# Altium PCB V5_CORE_V1.6.PcbDoc (part 1 of 3) (continued)
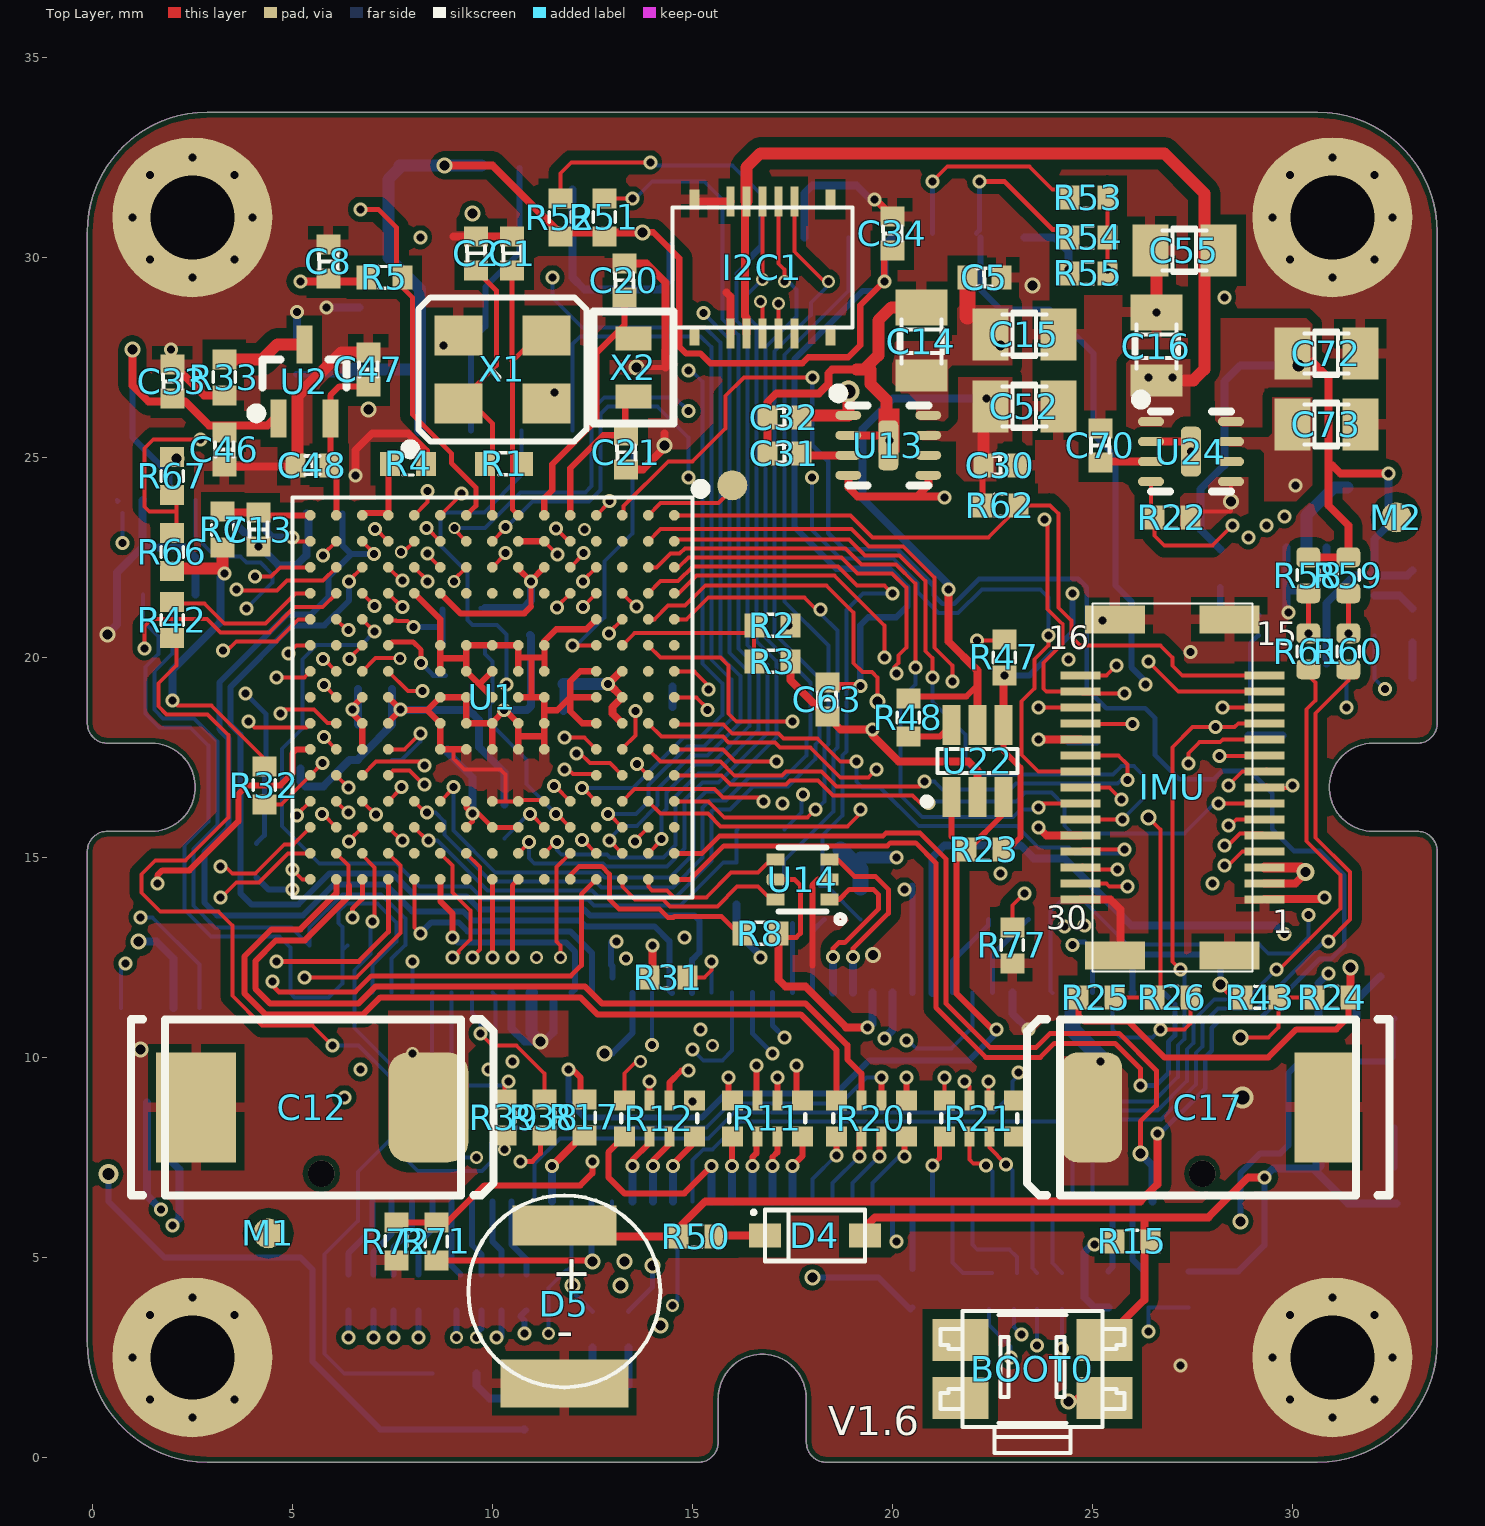
[diagram p0: Top Layer view]
## Footprints (in the part's own frame and the unit in brackets; to place one, negate y for a bottom-side part, rotate by r counter-clockwise, add the part's x,y. Pads: shape width x height; smd on the part's side, far side on the other; paste and mask are expansions set on the pad) (continued)
MARK [mm]
  round 0.75 smd: 1(0,0)
MIC5530 [mm] "QFN, 8-Leads, Body 2.0x2.0mm (max), Pitch 0.00mm, Pitch1 0.50mm, IPC Medium Density"
  oval 0.65x0.225 smd: 1(-1,0.75) 2(-1,0.25) 3(-1,-0.25) 4(-1,-0.75) 5(1,-0.75) 6(1,-0.25) 7(1,0.25) 8(1,0.75)
  rrect50% 0.5x1.25 smd: 2(0,0)
  silkscreen extent -1.37,-1 1,1.42, body extent -1,-1 1,1, height 0.85
PAS414R-S-VE5R [mm]
  rect 2.6x1 smd: 1(-0.1,-1.799)
  rect 3.2x1.2 smd: 2(-0.1,2.151)
  silkscreen extent -2.5,-2.55 2.3,2.25
R0402#1 [mm]
  rect 0.5x0.6 smd: 1(-0.475,0) 2(0.475,0)
  silkscreen extent -0.13,-0.27 0.14,0.28, body extent -0.51,-0.25 0.49,0.25, height 0.3
R0402#2 [mm]
  rect 0.4x0.6 smd: 1(-0.475,0) 2(0.475,0)
  silkscreen extent -0.13,-0.27 0.14,0.28, body extent -0.51,-0.25 0.49,0.25, height 0.3
SC70 [mm]
  rect 0.95x0.4 smd: 1(-0.925,0.65) 2(-0.925,-0.65) 3(0.925,0)
  silkscreen extent -0.92,-1.05 0.55,1.32, body extent -1.15,-1.05 1.15,1.05, height 1.1
SC0402 [mm]
  rect 0.5x0.6 smd: 1(-0.425,-0.004) 2(0.425,-0.004)
  silkscreen extent -0.17,-0.23 0.18,0.23, body extent -0.5,-0.25 0.5,0.25, height 0.5
SO-8 [mm] "SOIC, 8-Leads, Body 4.90x4.00mm, Pitch 1.27mm, IPC Medium Density"
  rrect50% 1.45x0.6 smd: 1(-2.725,1.905) 2(-2.725,0.635) 3(-2.725,-0.635) 4(-2.725,-1.905) 5(2.725,-1.905) 6(2.725,-0.635) 7(2.725,0.635) 8(2.725,1.905)
  silkscreen extent -2.85,-2.5 1.6,2.93, body extent -3,-2.5 3,2.5, height 1.75
SOD323 [mm]
  rect 0.6x0.8 smd: A(-0.217,1.264) K(-0.217,-1.236)
  silkscreen extent -0.87,-1.56 0.43,1.26, body extent -0.87,-1.28 0.48,1.32, height 1.1
SOT23-8 [mil]
  rect 17x52 smd: 1(-38.46,-51.13) 2(-12.87,-51.13) 3(12.93,-51.13) 4(38.93,-51.13) 5(38.93,42.13) 6(12.93,42.13) 7(-12.87,42.13) 8(-38.46,42.13)
  silkscreen extent -59,-44 60,35, body extent -59,-60 59,50, height 44
sot323-6 [mm]
  rect 1x0.45 smd mask+0.051: 1(-0.875,0.575) 2(-0.875,-0.075) 3(-0.875,-0.725) 4(0.925,-0.725) 5(0.925,-0.075) 6(0.925,0.575)
  silkscreen extent -1.04,-1.07 0.32,1.25, body extent -1.03,-1.1 1.07,0.9, height 0.9
SOT563-6 [mm]
  rect 0.45x0.3 smd: 1(-0.635,0.459) 2(-0.635,-0.041) 3(-0.635,-0.541) 4(0.715,-0.541) 6(0.715,0.459)
  rrect50% 0.45x0.3 smd: 5(0.715,-0.041)
  silkscreen extent -1,-0.84 0.64,1.05, body extent -0.76,-0.85 0.86,0.75, height 0.58
SOT-23-6 [mm] "SOT-23/SC-74A; 5 Leads; Body 3.1 x 3 mm, inc. leads (LxW max)"
  rect 0.55x1.45 smd: 1(0.95,1.075) 2(0,1.075) 3(-0.95,1.075) 4(-0.95,-1.075) 5(0,-1.075) 6(0.95,-1.075)
  silkscreen extent -1.55,-0.9 1.72,1.88, body extent -1.4,-1.19 1.4,1.23, height 1.08
SR0402 [mm]
  rect 0.5x0.6 smd: 1(-0.475,0) 2(0.475,0)
  silkscreen extent -0.13,-0.27 0.14,0.28, body extent -0.51,-0.25 0.49,0.25, height 0.3
TP0.75 [mm]
  round 0.75 smd: 0(0,0)
UFBGA176 [mm]
  round 0.27 smd: A1(-4.55,4.55) A2(-3.9,4.55) A3(-3.25,4.55) A4(-2.6,4.55) A5(-1.95,4.55) A6(-1.3,4.55) A7(-0.65,4.55) A8(0,4.55) A9(0.65,4.55) A10(1.3,4.55) A11(1.95,4.55) A12(2.6,4.55) A13(3.25,4.55) A14(3.9,4.55) A15(4.55,4.55) B1(-4.55,3.9) B2(-3.9,3.9) B3(-3.25,3.9) B4(-2.6,3.9) B5(-1.95,3.9) B6(-1.3,3.9) B7(-0.65,3.9) B8(0,3.9) B9(0.65,3.9) B10(1.3,3.9) B11(1.95,3.9) B12(2.6,3.9) B13(3.25,3.9) B14(3.9,3.9) B15(4.55,3.9) C1(-4.55,3.25) C2(-3.9,3.25) C3(-3.25,3.25) C4(-2.6,3.25) C5(-1.95,3.25) C6(-1.3,3.25) C7(-0.65,3.25) C8(0,3.25) C9(0.65,3.25) C10(1.3,3.25) C11(1.95,3.25) C12(2.6,3.25) C13(3.25,3.25) C14(3.9,3.25) C15(4.55,3.25) D1(-4.55,2.6) D2(-3.9,2.6) D3(-3.25,2.6) D4(-2.6,2.6) D5(-1.95,2.6) D6(-1.3,2.6) D7(-0.65,2.6) D8(0,2.6) D9(0.65,2.6) D10(1.3,2.6) D11(1.95,2.6) D12(2.6,2.6) D13(3.25,2.6) D14(3.9,2.6) D15(4.55,2.6) E1(-4.55,1.95) E2(-3.9,1.95) E3(-3.25,1.95) E4(-2.6,1.95) E12(2.6,1.95) E13(3.25,1.95) E14(3.9,1.95) E15(4.55,1.95) F1(-4.55,1.3) F2(-3.9,1.3) F3(-3.25,1.3) F4(-2.6,1.3) F6(-1.3,1.3) F7(-0.65,1.3) F8(0,1.3) F9(0.65,1.3) F10(1.3,1.3) F12(2.6,1.3) F13(3.25,1.3) F14(3.9,1.3) F15(4.55,1.3) G1(-4.55,0.65) G2(-3.9,0.65) G3(-3.25,0.65) G4(-2.6,0.65) G6(-1.3,0.65) G7(-0.65,0.65) G8(0,0.65) G9(0.65,0.65) G10(1.3,0.65) G12(2.6,0.65) G13(3.25,0.65) G14(3.9,0.65) G15(4.55,0.65) H1(-4.55,0) H2(-3.9,0) H3(-3.25,0) H4(-2.6,0) H6(-1.3,0) H7(-0.65,0) H8(0,0) H9(0.65,0) H10(1.3,0) H12(2.6,0) H13(3.25,0) H14(3.9,0) H15(4.55,0) J1(-4.55,-0.65) J2(-3.9,-0.65) J3(-3.25,-0.65) J4(-2.6,-0.65) J6(-1.3,-0.65) J7(-0.65,-0.65) J8(0,-0.65) J9(0.65,-0.65) J10(1.3,-0.65) J12(2.6,-0.65) J13(3.25,-0.65) J14(3.9,-0.65) J15(4.55,-0.65) K1(-4.55,-1.3) K2(-3.9,-1.3) K3(-3.25,-1.3) K4(-2.6,-1.3) K6(-1.3,-1.3) K7(-0.65,-1.3) K8(0,-1.3) K9(0.65,-1.3) K10(1.3,-1.3) K12(2.6,-1.3) K13(3.25,-1.3) K14(3.9,-1.3) K15(4.55,-1.3) L1(-4.55,-1.95) L2(-3.9,-1.95) L3(-3.25,-1.95) L4(-2.6,-1.95) L12(2.6,-1.95) L13(3.25,-1.95) L14(3.9,-1.95) L15(4.55,-1.95) M1(-4.55,-2.6) M2(-3.9,-2.6) M3(-3.25,-2.6) M4(-2.6,-2.6) M5(-1.95,-2.6) M6(-1.3,-2.6) M7(-0.65,-2.6) M8(0,-2.6) M9(0.65,-2.6) M10(1.3,-2.6) M11(1.95,-2.6) M12(2.6,-2.6) M13(3.25,-2.6) M14(3.9,-2.6) M15(4.55,-2.6) N1(-4.55,-3.25) N2(-3.9,-3.25) N3(-3.25,-3.25) N4(-2.6,-3.25) N5(-1.95,-3.25) N6(-1.3,-3.25) N7(-0.65,-3.25) N8(0,-3.25) N9(0.65,-3.25) N10(1.3,-3.25) N11(1.95,-3.25) N12(2.6,-3.25) N13(3.25,-3.25) N14(3.9,-3.25) N15(4.55,-3.25) P1(-4.55,-3.9) P2(-3.9,-3.9) P3(-3.25,-3.9) P4(-2.6,-3.9) P5(-1.95,-3.9) P6(-1.3,-3.9) P7(-0.65,-3.9) P8(0,-3.9) P9(0.65,-3.9) P10(1.3,-3.9) P11(1.95,-3.9) P12(2.6,-3.9) P13(3.25,-3.9) P14(3.9,-3.9) P15(4.55,-3.9) R1(-4.55,-4.55) R2(-3.9,-4.55) R3(-3.25,-4.55) R4(-2.6,-4.55) R5(-1.95,-4.55) R6(-1.3,-4.55) R7(-0.65,-4.55) R8(0,-4.55) R9(0.65,-4.55) R10(1.3,-4.55) R11(1.95,-4.55) R12(2.6,-4.55) R13(3.25,-4.55) R14(3.9,-4.55) R15(4.55,-4.55)
  silkscreen extent -5.33,-5 5,5.34, body extent -5,-5 5,5, height 0.6

## Part data
C1 C2 C20 C21: library part C
C5 C6 C7 C8 C9 C10 C11 C13 C18 C63: "50V 5%"
C12 C17: library part "Cap Pol1", "T520V476M016ATE"
C14 C15 C16 C19 C52 C54 C55 C72 C73: library part Cap, "Capacitor"
C22: library part C1005X5R1H104K
C30 C31 C32 C33 C34 C69 C70 C71: library part Cap
C46 C47 C48: library part 0402C2.2UF
D4: library part STPS20M100SG-TR, "STPS20M100SG-TR"
D5: library part PWR1-2_1
R1 R50: library part R
R2 R3 R5 R6 R7 R33: library part 0402R0R, "0402R0R 1%"
R4: "0402R0R 1%"
R8 R13 R14 R15 R16 R22 R24 R25 R29 R30 R58 R59 R63 R64: library part 0402R10K, "0402R10K 1%"
R9 R10 R11 R12 R19 R20 R21: library part 0402-8R-4R
R17 R26 R27 R28 R37 R38 R39 R43 R44 R57 R60 R61 R65: "0402R100R 1%"
R18 R56: "0402R1K 1%"
R23 R34 R35 R36 R40 R41 R42 R47 R62 R77: library part 0402R100R, "0402R100R 1%"
R31 R32 R45 R46 R48 R49 R66 R67 R68 R69 R70 R71 R72 R73 R74: library part Res2, "Resistor"
R51 R52 R53 R54 R55: library part RC0402FR-0749R9L
R75: library part RMCF0402FT4K99
R76: library part "Res Semi", "Semiconductor Resistor"
TP1: library part TP_0.75, "TP_0.75MM"
U2: library part REF3333AIDCKT
U3: library part Component_1
U5: library part TPS3808G09DBVR, "IC VOLT SUPERVISOR 0.9V SOT23-6"
U13 U24: library part MIC5530
U20 U21: library part MAX3051MAX3051EKA, "IC TXRX CAN 1MBPS SOT23-8"
U22: library part 74LVC1G57
U$9001: library part CON-DF17-80F
X1: library part X_B
X2: library part X_0

## Free pads (board coordinates)
  round 4 / inner round 2.5 / far side round 4 hole 2.1: 0(2.5,2.5) 0(2.5,31) 0(31,2.5) 0(31,31)
  round 0.75 smd: 2(16,24.3)

## Via types
v1: diameter 0.35, hole 0.2, Top Layer to Bottom Layer, tented both sides, 328 vias
v2: diameter 0.4, hole 0.25, Top Layer to Bottom Layer, tented both sides, 32 vias
v3: diameter 0.325, hole 0.2, Top Layer to Bottom Layer, tented both sides, 19 vias
v4: diameter 0.5, hole 0.3, Top Layer to Bottom Layer, tented both sides, 2 vias
v5: diameter 0.4, hole 0.2, Top Layer to Bottom Layer, tented both sides, 2 vias
v6: diameter 0.55, hole 0.35, Top Layer to Bottom Layer, tented both sides, 2 vias
v7: diameter 0.45, hole 0.25, Top Layer to Bottom Layer, tented both sides, 1 vias
v8: diameter 0.32, hole 0.2, Top Layer to Bottom Layer, tented both sides, 1 vias
v9: diameter 0.3, hole 0.2, Top Layer to Bottom Layer, tented both sides, 1 vias

## Nets (pads, with @x,y where several pads share a name; then routed paths per layer and width w, separated by ;. In a path a pad name is that pad's centre, name@x,y a point inside that pad or via, vN(x,y) a via of type N, cw(c..) or ccw(c..) an arc to the next point about the centre after c; other vN are vias at no path point)
3V3_SD_CARD_EN: R22.2 U1.J14 U24.4 | length 34.1
  Top Layer w0.1: U1.J14@9.35,15.1 9.69,14.76 9.69,12.69 v1(9.5,12.5) ; R22.2@26.467,23.583 U24.4@26.467,24.392 ; R22.2@26.55,23.5 26.55,23.05 26.8,22.8 28,22.8 v1(28.5,23.3)
  POWER w0.1: v1(9.5,12.5) 9.505,12.5 10.03,11.975 11.739,11.975 12.2,12.436 12.2,13.225 12.775,13.8 13.6,13.8 13.986,14.186 14.687,14.186 15.75,15.249 15.75,21.103 16.847,22.2 25.9,22.2 26.6,22.9 27.9,22.9 28.3,23.3 v1(28.5,23.3)
3V3_SENSORS_ADC: R34.2 U$9001.21 | length 2.2
  Bottom Layer w0.125: U$9001.21@21.507,11.616 21.507,12.407 22.4,13.3 R34.2@22.4,13.45
3V3_SPEKTRUM_POWER_EN: pad.2 U1.B1 | length 2.5
  Top Layer w0.1: U1.B1@13.9,23.55 14.21,23.86 15.66,23.86 15.9,24.1 pad.2@16,24.3
32KHZ_IN: C21.1 U1.E1 X2.1 | length 4
  Top Layer w0.154: U1.E1@11.95,23.55 11.95,24.725 12.775,25.55 C21.1@13.346,25.55 C21.1@13.525,25.729 ; C21.1@13.325,25.529 X2.1@13.325,26.325
32KHZ_OUT: C20.1 U1.F1 X2.2 | length 6.3
  Top Layer w0.154: U1.F1@11.3,23.55 11.3,23.975 11.5,24.175 11.5,24.825 12.6,25.925 12.6,27.6 13.304,28.304 C20.1@13.304,29
ADC1_SPARE_1: R73.1 R74.2 U1.N5 | length 20.5
  Top Layer w0.1: U1.N5@6.75,20.95 v1(7.061,20.639)
  Bottom Layer w0.1: v1@7.061,20.539 v1(7.061,20.639) 6.73,20.308 5.918,20.308 5.608,20.308 5.25,19.95 5.25,18.225 4.738,17.713 4.738,15.787 5.675,14.85 7.604,14.85 8.179,14.274 9.459,14.274 9.783,13.95 12.399,13.95 12.549,13.8 14.7,13.8 15.775,14.875 16.1,14.875 16.1,15.675 R73.1@16.125,15.7
ADC1_SPARE_1_CHANNEL: R73.2 U$9001.64 | length 26.2
  S1 w0.1: v1@17.813,16.625 19.375,16.625 19.7,16.3 20.457,16.3 20.756,16.001 21.6,15.157 21.6,14.968 21.65,14.918 21.65,14.123 22.25,13.523 22.25,10 22.5,9.75 23.025,9.75 v1(23.15,9.625)
  Bottom Layer w0.1: U$9001.64@10.986,6.392 11.05,6.456 11.05,7.332 11.693,7.975 15.4,7.975 16.05,8.625 22.525,8.625 23,9.1 23,9.4 v1@23.225,9.625 ; R73.2@17.3,15.7 17.725,16.125 17.725,16.537 v1(17.763,16.575)
ADC1_SPARE_2: R71.1 R72.2 U1.N4 | length 32.4
  Top Layer w0.1: U1.N4@6.75,21.6 7.074,21.276 v1(7.05,21.276)
  Top Layer w0.15: R72.2@7.6,5.875 R71.1@8.6,5.875 8.875,5.875 9.8,6.8 12.2,6.8 12.5,7.1 v1(12.5,7.4)
  S1 w0.1: v1(7.05,21.276) 7.411,20.915 7.411,20.491 7.16,20.24 6.631,20.24 6.564,20.308 5.608,20.308 5.3,20 5.3,18.9 5.389,18.811 5.802,18.811 6.313,18.3 7.905,18.3 8.055,18.45 8.35,18.45 9.383,17.417 9.383,16.607 9.1,16.325 9.1,16 9.6,15.5 9.6,14.8 10.5,13.9 11.732,13.9 12.712,12.919 12.712,12.388 12.983,12.117 14.401,12.117 15.7,10.818 15.7,10.5 v3(15.5,10.3)
  S2 w0.1: v1(12.5,7.4) 12.5,7.9 13.025,8.425 15.225,8.425 15.5,8.7 v3(15.5,10.3)
ADC1_SPARE_2_CHANNEL: R71.2 U$9001.58 | length 5.4
  Top Layer w0.15: R71.2@8.6,4.925 12.475,4.925 v2(12.5,4.9)
  Bottom Layer w0.15: U$9001.58@12.485,6.392 12.485,4.915 v2(12.5,4.9)
ADC_3V3_SENSORS: R34.1 U1.M3 | length 27.5
  Top Layer w0.1: U1.M3@7.4,22.25 7.733,21.917 v1(7.752,21.917)
  S1 w0.1: v1(7.752,21.917) 8.077,22.242 8.7,22.242 ; 8.57,22.25 9.237,22.25 11.762,19.725 12.238,19.725 12.438,19.925 13.07,19.925 13.62,20.475 16.707,20.475 16.982,20.2 18.079,20.2 19.929,22.05 22.441,22.05 23.341,21.15 23.395,21.15 23.45,21.095 23.45,20.031 24.325,19.156 24.325,17.925 24,17.6 22.8,17.6 22.5,17.3 22.5,15.34 22.55,15.291 22.55,14.75 v1(22.7,14.6)
ADC_SCALED_V5_CH: R35.1 R36.2 U1.M2 | length 14.8
  Top Layer w0.1: v1@7.067,23.233 U1.M2@7.4,22.9
  S2 w0.125: v1(3.825,19.1) 3.45,19.475 2.475,19.475 1.8,20.15 1.8,22 2.6,22.8 3.5,22.8 4.2,23.5 6.78,23.5 v1(7.073,23.208)
  Bottom Layer w0.125: v1(3.825,19.1) 4.337,18.588 R36.2@4.337,17.225 ; R35.1@4.1,15.35 4.3,15.55 R36.2@4.3,17.225
ALARM: R21.5 U$9001.24 | length 1.6
  Top Layer w0.125: v1(21,7.3) 21.175,7.475 R21.5@21.175,7.9
  Bottom Layer w0.125: U$9001.24@21.007,6.4 v1@21.007,7.3
ALARM_CHANNEL: R21.4 U1.B2 | length 25.1
  Top Layer w0.1: U1.B2@13.9,22.9 14.21,23.21 18.981,23.21 19.416,22.775 20.275,22.775 21.05,22 21.05,21.555 21.05,20.25 21.5,19.8 21.496,19.796 21.5,19.792 v1(21.5,19.4) ; R21.4@21.3,8.925 v1(21.3,9.5)
  S1 w0.1: v1(21.3,9.5) 21.3,9.405 21.773,8.932 23.132,8.932 23.975,9.775 23.975,11 22.55,12.425 22.55,13.541 21.875,14.216 21.875,15.011 21.825,15.061 21.825,18.775 21.5,19.1 v1(21.5,19.4)
AUX_BATT_CURRENT_SENS: R63.1 U1.R2 U$9001.25 | length 32.5
  Top Layer w0.1: v1(5,23) 5.1,22.9 U1.R2@5.45,22.9
  S2 w0.1: v1(5,23) 5,22.7 4.715,22.415 3.646,22.415 3.598,22.463 2.598,22.463 2.037,21.902 2.037,20.248 2.573,19.713 3.812,19.713 4.375,19.15 4.9,19.15 5.45,18.6 6,18.6 6.2,18.4 6.2,17.783 7.677,16.306 7.677,15.837 7.3,15.46 7.3,14.9 7.617,14.583 11.576,14.583 11.731,14.427 17.591,14.427 17.943,14.075 20.175,14.075 v1(20.3,14.2)
  Bottom Layer w0.15: v1(20.3,14.2) 20.404,14.2 20.502,14.298 U$9001.25@20.502,11.608
  Bottom Layer w0.2: R63.1@4.35,23.625 4.35,23.15 4.5,23 v1(5,23)
AUX_BATT_VOLTAGE_SENS: R64.1 U1.P2 U$9001.23 | length 50.8
  Top Layer w0.1: v1(5.767,22.548) 5.767,22.567 U1.P2@6.1,22.9
  S1 w0.154: v1(5.767,22.548) 5.767,23.467 6.4,24.1 6.9,24.1 7.66,24.86 12.883,24.86 14.071,23.673 18.332,23.673 18.986,24.327 20.402,24.327 20.902,24.827 21.744,24.827 22.244,24.327 25.948,24.327 28.773,21.502 28.773,19.708 29.1,19.381 29.1,17.475 29.475,17.1 29.767,17.1 29.844,17.177 30.156,17.177 30.377,16.956 30.377,16.533 29.423,15.579 29.423,13.302 29.649,13.076 v1(29.801,13.076)
  Bottom Layer w0.2: U$9001.23@21.002,11.608 21.007,11.613 21.007,11.616 21,11.623 21,15 21.3,15.3 23.211,15.3 23.536,14.975 24.3,14.975 25.975,13.3 29.577,13.3 v1(29.801,13.076)
AUX_CH1: R12.1 U1.P4 | length 44.2
  Top Layer w0.1: v1(1.3,20.225) 1.3,20.775 1.486,20.961 2.871,20.961 3.207,20.625 4.425,20.625 5.06,21.26 5.762,21.26 U1.P4@6.102,21.6
  Top Layer w0.15: v1(15,8.9) 15,8.975 R12.1@15.05,8.925
  S1 w0.1: v1(1.3,20.225) 2.311,20.225 2.775,19.761 2.775,18.661 2.975,18.461 2.975,15.275 2.375,14.675 2.375,7.681 2.962,7.093 2.962,5.993 4.463,4.493 4.463,2.202 5.502,1.162 11.498,1.162 12.898,2.562 14.398,2.562 15.138,3.302 15.138,7.141 15.137,7.431 ; v1(15,8.9) 15.138,8.762 15.138,7.431
AUX_CH2: R12.2 U1.A10 | length 21.8
  Top Layer w0.1: U1.A10@14.55,17.7 15.764,17.7 16.064,17.4 v1(17.1,17.4)
  Top Layer w0.15: R12.2@14.425,8.925 14.425,9.364 14.73,9.67 v1(14.9,9.67)
  S1 w0.15: v1(14.9,9.67) 15.1,9.67 15.72,9.05 17.75,9.05 18.6,9.9 20.4,9.9 20.9,10.4 20.9,12.954 18.804,15.05 16.822,15.05 15.85,16.022 15.85,16.922 16.328,17.4 v1(17.1,17.4)
AUX_CH3: R12.3 U1.R13 | length 35.2
  Top Layer w0.1: v1@3.2,14.9 3.5,14.6 4.075,14.6 4.8,15.325 5.025,15.325 U1.R13@5.45,15.75
  Top Layer w0.15: R12.3@13.925,8.925 v1(13.925,9.4) v1@13.925,9.5
  S1 w0.125: v1@3.118,14.856 3.118,14.749 2.612,14.243 2.612,7.788 2.662,7.738 2.662,7.729 3.2,7.192 3.2,6.1 3.275,6.025 3.275,6.017 4.7,4.592 4.7,2.3 5.6,1.4 11.4,1.4 12.8,2.8 14.3,2.8 14.884,3.384 14.884,3.849 14.888,3.852 14.888,8.112 14.5,8.5 14.5,9.2 14.3,9.4 v1(13.925,9.4) v1@13.925,9.5
  other v1: 3.2,14.775
AVDD: C13.2 R7.1 U1.R1 | length 2.2
  Top Layer w0.15: C13.2@4.216,23.55 U1.R1@5.45,23.55
  Top Layer w0.2: R7.1@3.287,23.615 C13.2@4.151,23.615 C13.2@4.216,23.55
B1_CURRENT: R13.1 U1.N2 U$9001.49 | length 27
  Top Layer w0.1: U1.N2@6.75,22.9 7.072,22.578 v1(7.038,22.578)
  Bottom Layer w0.15: R13.1@6.25,23.6 6.25,22.805 6.478,22.578 ; v1(7.038,22.578) 6.478,22.578 ; U$9001.49@14.491,11.608 14.425,11.675 14.425,12.905 14.055,13.275 12.325,13.275 12.175,13.425 9.494,13.425 9.269,13.65 7.997,13.65 7.322,14.325 6.044,14.325 5.269,13.55 3.12,13.55 2.8,13.87 2.8,15.128 3.4,15.728 3.4,17.972 3.2,18.172 3.2,18.181 3.175,18.206 3.175,19.369 4.881,21.075 5.475,21.075 5.9,21.5 5.9,22 6.478,22.578
  Bottom Layer w0.2: v1(7.038,22.578) 7.082,22.578 v1@7.102,22.598
B1_VOLTAGE: R14.1 U1.N3 U$9001.47 | length 24.4
  Top Layer w0.1: v1(6.417,21.898) 6.417,21.917 U1.N3@6.75,22.25
  Bottom Layer w0.15: v1(6.417,21.898) 6.417,21.417 5.8,20.8 4.995,20.8 3.45,19.255 3.45,18.32 3.7,18.07 3.7,14.1 3.975,13.825 5.155,13.825 5.93,14.6 7.5,14.6 8.076,14.024 9.356,14.024 9.68,13.7 12.061,13.7 12.289,13.7 12.439,13.55 15.05,13.55 15.175,13.425 15.175,12.618 14.999,12.443 U$9001.47@14.999,11.608
BLUE_LED: R40.1 U1.G15 | length 18.1
  Top Layer w0.125: v1(10.5,12.5) 10.5,14.3 U1.G15@10.65,14.45
  S1 w0.125: v1(6.3,9) 6.3,8.446 8.096,6.65 10.596,6.65 12,5.246 v2(12,4.3)
  S2 w0.125: v1(6.3,9) 6.55,9 7.35,9.8 7.35,11.15 7.55,11.35 9.002,11.35 9.878,11.35 10.5,11.972 v1(10.5,12.5)
  Bottom Layer w0.125: v2(12,4.3) 12,4.15 R40.1@12.5,3.65
BOOT0: BOOT0.A4 R6.2 TP1.0 U1.D6 | length 45.4
  Top Layer w0.1: v1(12,20.3) U1.D6@12.6,20.3 ; v2(24.4,1.4) 24.438,1.4 24.463,1.375 BOOT0.A4@25.001,1.913
  S1 w0.1: v1(12,20.3) 12.125,20.3 12.772,20.948 13.442,20.948 13.465,20.925 14.425,20.925 15.121,21.621 18.864,21.621 19.743,22.5 22.627,22.5 23.527,21.6 23.582,21.6 23.807,21.375 24.061,21.375 25.025,20.411 25.025,18.893 25.168,18.75 26.072,18.75 26.351,18.471 26.351,18.181 26.095,17.925 25.207,17.925 24.5,17.218 24.5,14.605 23.745,13.85 23.65,13.85 23.3,13.5 23.3,12.661 24.65,11.311 24.65,9.495 24.1,8.945 24.1,3.6 24.7,3 24.7,2.1 24.4,1.8 v2(24.4,1.4)
  Bottom Layer w0.1: v1(12,20.3) 12.1,20.3 12.8,21 12.8,22.4 13.5,23.1 TP1.0@13.5,25.7
BOOT1: R70.1 U1.M6 | length 2
  Top Layer w0.125: U1.M6@7.4,20.3 7.488,20.388 8.02,20.388 8.223,20.185 v1(8.223,19.851)
  Bottom Layer w0.125: v1(8.223,19.851) 8.524,19.55 R70.1@8.825,19.55
CAD0: R18.1 U4.5 | length 1.8
  Bottom Layer w0.125: R18.1@28.95,18.8 28.95,20.35 U4.5@29.15,20.55
CAD1: R56.2 U4.6 | length 1.6
  Bottom Layer w0.154: R56.2@28.2,21.75 28.2,21.2 28.35,21.05 U4.6@29.15,21.05
CAN_H_1: R45.1 U20.7 U$9001.79 | length 20.9
  Bottom Layer w0.1: U20.7@1.271,21.566 1.271,20.904 1.65,20.525 1.65,20.08 1.325,19.755 1.325,18.6 1.675,18.25 2.45,18.25 2.9,17.8 2.9,15.9 2.3,15.3 2.3,13.698 2.973,13.025 4.675,13.025 4.95,12.75 4.95,11.603 5.053,11.5 5.902,11.5 6.25,11.848 R45.1@6.25,12.675 ; R45.1@6.375,12.8 R45.1@6.25,12.675 ; U$9001.79@7.004,11.616 7.004,12.304 7.6,12.9 7.6,13.375 7.125,13.85 6.355,13.85 6.15,13.645 6.15,13.355 6.25,13.255 R45.1@6.25,12.675
CAN_H_2: R46.1 U21.7 U$9001.41 | length 25.3
  S2 w0.1: v1(1.712,6.2) 2.61,6.2 2.81,6.4 6.11,6.4 6.335,6.625 13.217,6.625 13.317,6.725 17.689,6.725 18,7.036 18,10.1 17.9,10.2 17.495,10.2 17.395,10.1 v1(17,10.1)
  Bottom Layer w0.125: U$9001.41@16.503,11.616 16.503,10.597 v1(17,10.1)
  Bottom Layer w0.2: U21.7@1.371,8.866 1.371,6.542 v1(1.712,6.2)
CAN_L_1: R45.2 U20.6 U$9001.77 | length 18.1
  Bottom Layer w0.1: U20.6@1.926,21.566 2,21.492 2,20.1 1.55,19.65 1.55,18.693 1.768,18.475 2.543,18.475 3.125,17.893 3.125,15.807 2.525,15.207 2.525,13.791 3.066,13.25 4.975,13.25 R45.2@5.425,12.8 5.425,13.238 6.262,14.075 7.218,14.075 7.825,13.468 7.825,12.807 7.486,12.468 U$9001.77@7.486,11.616
CAN_L_2: R46.2 U21.6 U$9001.39 | length 25.7
  S2 w0.125: v1(2,5.8) 2.7,5.8 3.063,6.163 6.208,6.163 6.433,6.388 13.315,6.388 13.415,6.488 17.788,6.488 18.237,6.937 18.237,10.252 17.989,10.5 v1(17.3,10.5)
  Bottom Layer w0.125: U$9001.39@17.007,11.616 17.007,10.793 v1(17.3,10.5) v1@17.4,10.5
  Bottom Layer w0.2: U21.6@1.926,8.966 1.926,7.449 R46.2@2.175,7.2 2.175,5.975 v1(2,5.8)
DRDY8: U1.R8
FMU-CAP1-PROT: R12.8 U$9001.50 | length 1.7
  Top Layer w0.15: v1(14.522,7.286) 14.522,7.334 15.05,7.862 R12.8@15.05,8.025
  Bottom Layer w0.2: U$9001.50@14.522,6.4 v1@14.522,7.186
FMU-CAP2-PROT: R12.7 U$9001.52 | length 1.7
  Top Layer w0.15: v1(14.014,7.286) 14.014,7.414 14.425,7.825 R12.7@14.425,8.025
  Bottom Layer w0.2: U$9001.52@14.014,6.4 v1@14.014,7.186
FMU-CAP3-PROT: R12.6 U$9001.54 | length 1.7
  Top Layer w0.15: v1(13.506,7.286) 13.506,7.436 13.925,7.855 R12.6@13.925,8.025
  Bottom Layer w0.2: U$9001.54@13.506,6.4 v1@13.506,7.186
FMU-SWCLK: U1.A14 U$9001.2 | length 20.7
  Top Layer w0.125: U1.A14@14.55,15.1 15.246,15.1 15.684,15.537 19.771,15.537 19.846,15.612 20.688,15.612 21.338,14.962 21.338,11.35 22.437,10.25 23.596,10.25 23.946,10.6 25.671,10.6 26.6,9.671 26.6,8.8 26.2,8.4 v2(26.2,7.6)
  Bottom Layer w0.2: v2(26.2,7.6) 26.502,7.298 U$9001.2@26.502,6.392
FMU-SWDIO: U1.A15 U$9001.1 | length 20.5
  Top Layer w0.125: U1.A15@14.55,14.45 14.95,14.45 15.787,15.287 19.875,15.287 19.95,15.362 20.584,15.362 21.088,14.859 21.088,11.246 22.334,10 23.7,10 24.05,10.35 25.567,10.35 26.2,9.717 v1(26.2,9.3)
  Bottom Layer w0.125: v1(26.2,9.3) 26.6,9.3 26.9,9.6 26.9,10.387 27.063,10.55 27.063,11.337 26.792,11.608 U$9001.1@26.502,11.608
FMU_CH1: R9.4 U1.P11 | length 18.2
  Top Layer w0.1: U1.P11@6.1,17.05 v1(6.411,16.739)
  S1 w0.125: v1(6.4,3) 6.4,3.993 6.2,4.193 6.2,5.107 4.7,6.607 4.7,7.707 4.087,8.32 4.087,12.987 4.7,13.6 4.913,13.6 5.363,14.05 5.363,15.199 4.755,15.806 4.755,16.455 5.039,16.739 v1(6.411,16.739)
  Bottom Layer w0.15: v1(6.4,3) R9.4@6.4,3.675
FMU_CH1-PROT: R9.5 U$9001.80 | length 2.1
  Bottom Layer w0.15: R9.5@6.4,4.575 6.4,5.1 7.004,5.704 U$9001.80@7.004,6.4